# EAGLE board Mk4 Final a Panel score (EAGLE 9.0.1), part 9 of 24 (continued)
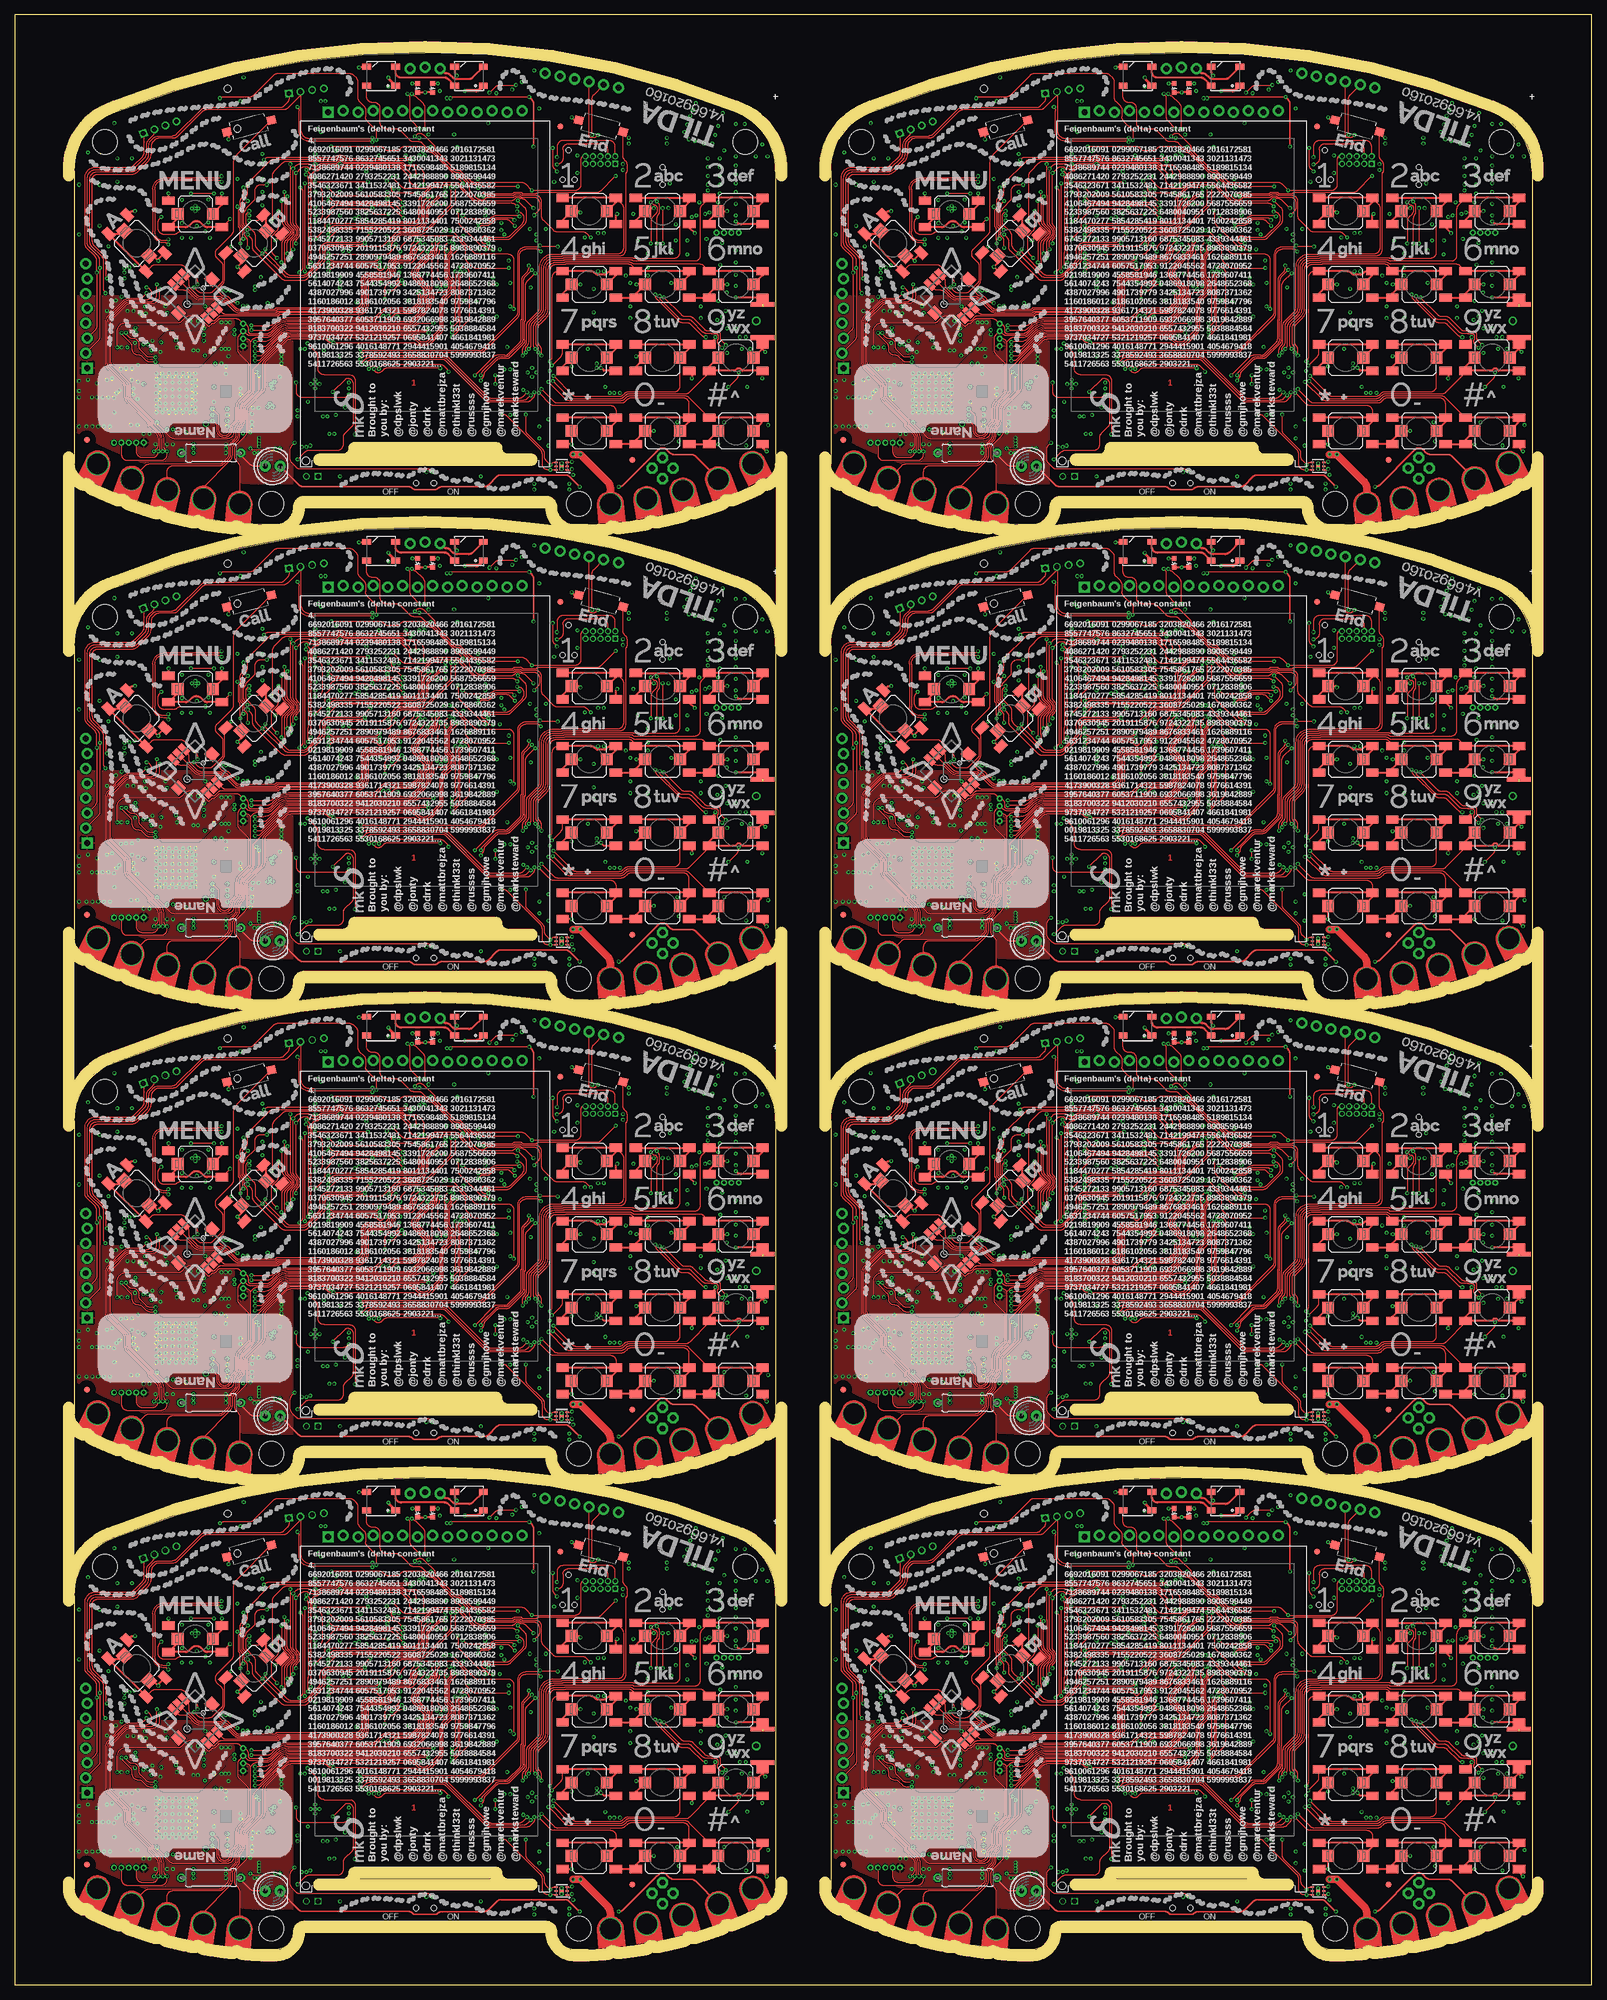
[diagram p0: board, top side]
## Tracks (layer width: path | path; a pad name or v marks a point on that pad's centre or on a via) (continued)
  Bottom 0.15: IC38.12 71.8,134.69 arc45 71.65,135.05 v71.2,135.5
  Bottom 0.2: IC47.32 22.75,113.25 22.54,113.46 arc-45 22.25,114.16 22.25,114.5 arc90 21.25,115.5 R229.1 C295.2 arc-90 17.5,116.25 v17.5,117.25
CC_!RESET3  (via drill 0.3)
  Top 0.15: v200.2,135.5 200.2,134.95 arc45 200.35,134.6 200.38,134.56 arc-45 200.53,134.21 200.53,134.09 arc-45 200.45,133.9 arc45 200.3,133.55 200.3,133.54 arc-45 200.15,133.19 197.86,130.89 arc90 197.86,129.12 199.31,127.67 arc-45 199.6,126.96 199.6,126.41 arc-45 199.45,126.05 199.25,125.85 arc45 199.1,125.49 199.1,125.22 arc-45 198.51,123.81 196.7,121.99 arc-45 195.99,121.7 175.78,121.7 arc45 173.58,120.85 172.63,119.89 arc-45 171.92,119.6 169.3,119.6 arc-90 168.8,120.1 168.8,120.51 arc90 JP34.4 167.39,121.91 arc45 166.69,122.2 164.13,122.2 arc45 163.78,122.05 163.26,121.53 arc-45 162.94,121.4 arc45 162.58,121.25 162.28,120.95 arc-90 161.93,120.95 160.56,122.31 arc45 159.86,122.6 158.81,122.6 arc45 158.11,122.31 157.49,121.69 arc-45 156.79,121.4 147.9,121.4 arc90 146.4,119.9 146.4,117.34 v146.5,117.24 v146.5,117.25
  Bottom 0.15: IC56.12 200.8,134.69 arc45 200.65,135.05 v200.2,135.5
  Bottom 0.2: IC65.32 151.75,113.25 151.54,113.46 arc-45 151.25,114.16 151.25,114.5 arc90 150.25,115.5 R307.1 C403.2 arc-90 146.5,116.25 v146.5,117.25
CC_!RESET4  (via drill 0.3)
  Top 0.15: v71.2,216.5 71.2,215.95 arc45 71.35,215.6 71.38,215.56 arc-45 71.53,215.21 71.53,215.09 arc-45 71.45,214.9 arc45 71.3,214.55 71.3,214.54 arc-45 71.15,214.19 68.86,211.89 arc90 68.86,210.12 70.31,208.67 arc-45 70.6,207.96 70.6,207.41 arc-45 70.45,207.05 70.25,206.85 arc45 70.1,206.49 70.1,206.22 arc-45 69.51,204.81 67.7,202.99 arc-45 66.99,202.7 46.78,202.7 arc45 44.58,201.85 43.63,200.89 arc-45 42.92,200.6 40.3,200.6 arc-90 39.8,201.1 39.8,201.51 arc90 JP43.4 38.39,202.91 arc45 37.69,203.2 35.13,203.2 arc45 34.78,203.05 34.26,202.53 arc-45 33.94,202.4 arc45 33.59,202.25 33.28,201.95 arc-90 32.92,201.95 31.56,203.31 arc45 30.86,203.6 29.81,203.6 arc45 29.11,203.31 28.49,202.69 arc-45 27.79,202.4 18.9,202.4 arc90 17.4,200.9 17.4,198.34 v17.5,198.24 v17.5,198.25
  Bottom 0.15: IC74.12 71.8,215.69 arc45 71.65,216.05 v71.2,216.5
  Bottom 0.2: IC83.32 22.75,194.25 22.54,194.46 arc-45 22.25,195.16 22.25,195.5 arc90 21.25,196.5 R385.1 C511.2 arc-90 17.5,197.25 v17.5,198.25
CC_!RESET5  (via drill 0.3)
  Top 0.15: v200.2,216.5 200.2,215.95 arc45 200.35,215.6 200.38,215.56 arc-45 200.53,215.21 200.53,215.09 arc-45 200.45,214.9 arc45 200.3,214.55 200.3,214.54 arc-45 200.15,214.19 197.86,211.89 arc90 197.86,210.12 199.31,208.67 arc-45 199.6,207.96 199.6,207.41 arc-45 199.45,207.05 199.25,206.85 arc45 199.1,206.49 199.1,206.22 arc-45 198.51,204.81 196.7,202.99 arc-45 195.99,202.7 175.78,202.7 arc45 173.58,201.85 172.63,200.89 arc-45 171.92,200.6 169.3,200.6 arc-90 168.8,201.1 168.8,201.51 arc90 JP52.4 167.39,202.91 arc45 166.69,203.2 164.13,203.2 arc45 163.78,203.05 163.26,202.53 arc-45 162.94,202.4 arc45 162.58,202.25 162.28,201.95 arc-90 161.93,201.95 160.56,203.31 arc45 159.86,203.6 158.81,203.6 arc45 158.11,203.31 157.49,202.69 arc-45 156.79,202.4 147.9,202.4 arc90 146.4,200.9 146.4,198.34 v146.5,198.24 v146.5,198.25
  Bottom 0.15: IC92.12 200.8,215.69 arc45 200.65,216.05 v200.2,216.5
  Bottom 0.2: IC101.32 151.75,194.25 151.54,194.46 arc-45 151.25,195.16 151.25,195.5 arc90 150.25,196.5 R463.1 C619.2 arc-90 146.5,197.25 v146.5,198.25
CC_!RESET6  (via drill 0.3)
  Top 0.15: v71.2,297.5 71.2,296.95 arc45 71.35,296.6 71.38,296.56 arc-45 71.53,296.21 71.53,296.09 arc-45 71.45,295.9 arc45 71.3,295.55 71.3,295.54 arc-45 71.15,295.19 68.86,292.89 arc90 68.86,291.12 70.31,289.67 arc-45 70.6,288.96 70.6,288.41 arc-45 70.45,288.05 70.25,287.85 arc45 70.1,287.49 70.1,287.22 arc-45 69.51,285.81 67.7,283.99 arc-45 66.99,283.7 46.78,283.7 arc45 44.58,282.85 43.63,281.89 arc-45 42.92,281.6 40.3,281.6 arc-90 39.8,282.1 39.8,282.51 arc90 JP61.4 38.39,283.91 arc45 37.69,284.2 35.13,284.2 arc45 34.78,284.05 34.26,283.53 arc-45 33.94,283.4 arc45 33.59,283.25 33.28,282.95 arc-90 32.92,282.95 31.56,284.31 arc45 30.86,284.6 29.81,284.6 arc45 29.11,284.31 28.49,283.69 arc-45 27.79,283.4 18.9,283.4 arc90 17.4,281.9 17.4,279.34 v17.5,279.24 v17.5,279.25
  Bottom 0.15: IC110.12 71.8,296.69 arc45 71.65,297.05 v71.2,297.5
  Bottom 0.2: IC119.32 22.75,275.25 22.54,275.46 arc-45 22.25,276.16 22.25,276.5 arc90 21.25,277.5 R541.1 C727.2 arc-90 17.5,278.25 v17.5,279.25
CC_!RESET7  (via drill 0.3)
  Top 0.15: v200.2,297.5 200.2,296.95 arc45 200.35,296.6 200.38,296.56 arc-45 200.53,296.21 200.53,296.09 arc-45 200.45,295.9 arc45 200.3,295.55 200.3,295.54 arc-45 200.15,295.19 197.86,292.89 arc90 197.86,291.12 199.31,289.67 arc-45 199.6,288.96 199.6,288.41 arc-45 199.45,288.05 199.25,287.85 arc45 199.1,287.49 199.1,287.22 arc-45 198.51,285.81 196.7,283.99 arc-45 195.99,283.7 175.78,283.7 arc45 173.58,282.85 172.63,281.89 arc-45 171.92,281.6 169.3,281.6 arc-90 168.8,282.1 168.8,282.51 arc90 JP70.4 167.39,283.91 arc45 166.69,284.2 164.13,284.2 arc45 163.78,284.05 163.26,283.53 arc-45 162.94,283.4 arc45 162.58,283.25 162.28,282.95 arc-90 161.93,282.95 160.56,284.31 arc45 159.86,284.6 158.81,284.6 arc45 158.11,284.31 157.49,283.69 arc-45 156.79,283.4 147.9,283.4 arc90 146.4,281.9 146.4,279.34 v146.5,279.24 v146.5,279.25
  Bottom 0.15: IC128.12 200.8,296.69 arc45 200.65,297.05 v200.2,297.5
  Bottom 0.2: IC137.32 151.75,275.25 151.54,275.46 arc-45 151.25,276.16 151.25,276.5 arc90 150.25,277.5 R619.1 C835.2 arc-90 146.5,278.25 v146.5,279.25
CC_!RTS
  Bottom 0.2: IC15.50 33.04,31.75 arc-45 33.4,31.6 33.65,31.35 arc45 34.01,31.2 36.05,31.2 arc90 36.55,31.7 36.55,31.8 R70.1
CC_!RTS1
  Bottom 0.2: IC29.50 162.04,31.75 arc-45 162.4,31.6 162.65,31.35 arc45 163.01,31.2 165.05,31.2 arc90 165.55,31.7 165.55,31.8 R148.1
CC_!RTS2
  Bottom 0.2: IC47.50 33.04,112.75 arc-45 33.4,112.6 33.65,112.35 arc45 34.01,112.2 36.05,112.2 arc90 36.55,112.7 36.55,112.8 R226.1
CC_!RTS3
  Bottom 0.2: IC65.50 162.04,112.75 arc-45 162.4,112.6 162.65,112.35 arc45 163.01,112.2 165.05,112.2 arc90 165.55,112.7 165.55,112.8 R304.1
CC_!RTS4
  Bottom 0.2: IC83.50 33.04,193.75 arc-45 33.4,193.6 33.65,193.35 arc45 34.01,193.2 36.05,193.2 arc90 36.55,193.7 36.55,193.8 R382.1
CC_!RTS5
  Bottom 0.2: IC101.50 162.04,193.75 arc-45 162.4,193.6 162.65,193.35 arc45 163.01,193.2 165.05,193.2 arc90 165.55,193.7 165.55,193.8 R460.1
CC_!RTS6
  Bottom 0.2: IC119.50 33.04,274.75 arc-45 33.4,274.6 33.65,274.35 arc45 34.01,274.2 36.05,274.2 arc90 36.55,274.7 36.55,274.8 R538.1
CC_!RTS7
  Bottom 0.2: IC137.50 162.04,274.75 arc-45 162.4,274.6 162.65,274.35 arc45 163.01,274.2 165.05,274.2 arc90 165.55,274.7 165.55,274.8 R616.1
CC_IRQ  (via drill 0.3)
  Top 0.15: v24.25,23.44 24.27,23.41 24.27,23.23 26.56,20.94 arc45 27.26,20.65 36.15,20.65 arc90 37.4,21.9 arc-45 37.91,23.14 37.96,23.18 arc45 38.4,24.25 38.4,25.6 arc-45 38.99,27.01 40.12,28.15 arc45 40.56,29.21 40.56,32.02 arc-45 40.86,32.73 45.99,37.86 arc-45 47.05,38.3 67.69,38.3 arc-45 68.39,38.01 68.91,37.49 arc45 69.61,37.2 69.89,37.2 arc45 70.59,37.49 72.21,39.11 arc45 72.5,39.81 72.5,43.68 arc-45 72.94,44.74 73.96,45.76 arc45 74.33,46.64 74.33,47.09 74.3,47.12 arc45 74.12,47.56 73.89,47.78 arc-45 73.6,48.49 73.6,51.44 arc-45 73.89,52.15 74.13,52.39 arc45 74.28,52.74 74.28,53.27 arc-45 74.42,53.62 v74.8,54
  Bottom 0.15: R72.1 24.25,21.75 v24.25,23.44 IC15.15 | IC1.123 76.82,54.8 arc45 76.78,54.78 arc-45 76.64,54.73 76.36,54.73 arc-45 76.22,54.78 76.17,54.84 arc45 76.03,54.9 74.08,54.9 arc90 73.58,54.4 73.58,54.2 arc90 74.08,53.7 74.5,53.7 v74.8,54
CC_IRQ1  (via drill 0.3)
  Top 0.15: v153.25,23.44 153.28,23.41 153.28,23.23 155.56,20.94 arc45 156.26,20.65 165.15,20.65 arc90 166.4,21.9 arc-45 166.91,23.14 166.96,23.18 arc45 167.4,24.25 167.4,25.6 arc-45 167.99,27.01 169.12,28.15 arc45 169.56,29.21 169.56,32.02 arc-45 169.86,32.73 174.99,37.86 arc-45 176.05,38.3 196.69,38.3 arc-45 197.39,38.01 197.91,37.49 arc45 198.61,37.2 198.89,37.2 arc45 199.59,37.49 201.21,39.11 arc45 201.5,39.81 201.5,43.68 arc-45 201.94,44.74 202.96,45.76 arc45 203.32,46.64 203.32,47.09 203.3,47.12 arc45 203.12,47.56 202.89,47.78 arc-45 202.6,48.49 202.6,51.44 arc-45 202.89,52.15 203.13,52.39 arc45 203.28,52.74 203.28,53.27 arc-45 203.42,53.62 v203.8,54
  Bottom 0.15: R150.1 153.25,21.75 v153.25,23.44 IC29.15 | IC20.123 205.82,54.8 arc45 205.78,54.78 arc-45 205.63,54.73 205.37,54.73 arc-45 205.22,54.78 205.17,54.84 arc45 205.03,54.9 203.07,54.9 arc90 202.57,54.4 202.57,54.2 arc90 203.07,53.7 203.5,53.7 v203.8,54
CC_IRQ2  (via drill 0.3)
  Top 0.15: v24.25,104.44 24.27,104.41 24.27,104.22 26.56,101.94 arc45 27.26,101.65 36.15,101.65 arc90 37.4,102.9 arc-45 37.91,104.14 37.96,104.19 arc45 38.4,105.25 38.4,106.6 arc-45 38.99,108.01 40.12,109.15 arc45 40.56,110.21 40.56,113.02 arc-45 40.86,113.73 45.99,118.86 arc-45 47.05,119.3 67.69,119.3 arc-45 68.39,119.01 68.91,118.49 arc45 69.61,118.2 69.89,118.2 arc45 70.59,118.49 72.21,120.11 arc45 72.5,120.81 72.5,124.68 arc-45 72.94,125.74 73.96,126.76 arc45 74.33,127.64 74.33,128.09 74.3,128.12 arc45 74.12,128.56 73.89,128.78 arc-45 73.6,129.49 73.6,132.44 arc-45 73.89,133.15 74.13,133.39 arc45 74.28,133.74 74.28,134.27 arc-45 74.42,134.62 v74.8,135
  Bottom 0.15: R228.1 24.25,102.75 v24.25,104.44 IC47.15 | IC38.123 76.82,135.8 arc45 76.78,135.78 arc-45 76.64,135.72 76.36,135.72 arc-45 76.22,135.78 76.17,135.84 arc45 76.03,135.9 74.08,135.9 arc90 73.58,135.4 73.58,135.2 arc90 74.08,134.7 74.5,134.7 v74.8,135
CC_IRQ3  (via drill 0.3)
  Top 0.15: v153.25,104.44 153.28,104.41 153.28,104.22 155.56,101.94 arc45 156.26,101.65 165.15,101.65 arc90 166.4,102.9 arc-45 166.91,104.14 166.96,104.19 arc45 167.4,105.25 167.4,106.6 arc-45 167.99,108.01 169.12,109.15 arc45 169.56,110.21 169.56,113.02 arc-45 169.86,113.73 174.99,118.86 arc-45 176.05,119.3 196.69,119.3 arc-45 197.39,119.01 197.91,118.49 arc45 198.61,118.2 198.89,118.2 arc45 199.59,118.49 201.21,120.11 arc45 201.5,120.81 201.5,124.68 arc-45 201.94,125.74 202.96,126.76 arc45 203.32,127.64 203.32,128.09 203.3,128.12 arc45 203.12,128.56 202.89,128.78 arc-45 202.6,129.49 202.6,132.44 arc-45 202.89,133.15 203.13,133.39 arc45 203.28,133.74 203.28,134.27 arc-45 203.42,134.62 v203.8,135
  Bottom 0.15: R306.1 153.25,102.75 v153.25,104.44 IC65.15 | IC56.123 205.82,135.8 arc45 205.78,135.78 arc-45 205.63,135.72 205.37,135.72 arc-45 205.22,135.78 205.17,135.84 arc45 205.03,135.9 203.07,135.9 arc90 202.57,135.4 202.57,135.2 arc90 203.07,134.7 203.5,134.7 v203.8,135
CC_IRQ4  (via drill 0.3)
  Top 0.15: v24.25,185.44 24.27,185.41 24.27,185.22 26.56,182.94 arc45 27.26,182.65 36.15,182.65 arc90 37.4,183.9 arc-45 37.91,185.14 37.96,185.19 arc45 38.4,186.25 38.4,187.6 arc-45 38.99,189.01 40.12,190.15 arc45 40.56,191.21 40.56,194.02 arc-45 40.86,194.73 45.99,199.86 arc-45 47.05,200.3 67.69,200.3 arc-45 68.39,200.01 68.91,199.49 arc45 69.61,199.2 69.89,199.2 arc45 70.59,199.49 72.21,201.11 arc45 72.5,201.81 72.5,205.68 arc-45 72.94,206.74 73.96,207.76 arc45 74.33,208.64 74.33,209.09 74.3,209.12 arc45 74.12,209.56 73.89,209.78 arc-45 73.6,210.49 73.6,213.44 arc-45 73.89,214.15 74.13,214.39 arc45 74.28,214.74 74.28,215.27 arc-45 74.42,215.62 v74.8,216
  Bottom 0.15: R384.1 24.25,183.75 v24.25,185.44 IC83.15 | IC74.123 76.82,216.8 arc45 76.78,216.78 arc-45 76.64,216.72 76.36,216.72 arc-45 76.22,216.78 76.17,216.84 arc45 76.03,216.9 74.08,216.9 arc90 73.58,216.4 73.58,216.2 arc90 74.08,215.7 74.5,215.7 v74.8,216
CC_IRQ5  (via drill 0.3)
  Top 0.15: v153.25,185.44 153.28,185.41 153.28,185.22 155.56,182.94 arc45 156.26,182.65 165.15,182.65 arc90 166.4,183.9 arc-45 166.91,185.14 166.96,185.19 arc45 167.4,186.25 167.4,187.6 arc-45 167.99,189.01 169.12,190.15 arc45 169.56,191.21 169.56,194.02 arc-45 169.86,194.73 174.99,199.86 arc-45 176.05,200.3 196.69,200.3 arc-45 197.39,200.01 197.91,199.49 arc45 198.61,199.2 198.89,199.2 arc45 199.59,199.49 201.21,201.11 arc45 201.5,201.81 201.5,205.68 arc-45 201.94,206.74 202.96,207.76 arc45 203.32,208.64 203.32,209.09 203.3,209.12 arc45 203.12,209.56 202.89,209.78 arc-45 202.6,210.49 202.6,213.44 arc-45 202.89,214.15 203.13,214.39 arc45 203.28,214.74 203.28,215.27 arc-45 203.42,215.62 v203.8,216
  Bottom 0.15: R462.1 153.25,183.75 v153.25,185.44 IC101.15 | IC92.123 205.82,216.8 arc45 205.78,216.78 arc-45 205.63,216.72 205.37,216.72 arc-45 205.22,216.78 205.17,216.84 arc45 205.03,216.9 203.07,216.9 arc90 202.57,216.4 202.57,216.2 arc90 203.07,215.7 203.5,215.7 v203.8,216
CC_IRQ6  (via drill 0.3)
  Top 0.15: v24.25,266.44 24.27,266.41 24.27,266.23 26.56,263.94 arc45 27.26,263.65 36.15,263.65 arc90 37.4,264.9 arc-45 37.91,266.14 37.96,266.19 arc45 38.4,267.25 38.4,268.6 arc-45 38.99,270.01 40.12,271.15 arc45 40.56,272.21 40.56,275.02 arc-45 40.86,275.73 45.99,280.86 arc-45 47.05,281.3 67.69,281.3 arc-45 68.39,281.01 68.91,280.49 arc45 69.61,280.2 69.89,280.2 arc45 70.59,280.49 72.21,282.11 arc45 72.5,282.81 72.5,286.68 arc-45 72.94,287.74 73.96,288.76 arc45 74.33,289.64 74.33,290.09 74.3,290.12 arc45 74.12,290.56 73.89,290.78 arc-45 73.6,291.49 73.6,294.44 arc-45 73.89,295.15 74.13,295.39 arc45 74.28,295.74 74.28,296.27 arc-45 74.42,296.62 v74.8,297
  Bottom 0.15: R540.1 24.25,264.75 v24.25,266.44 IC119.15 | IC110.123 76.82,297.8 arc45 76.78,297.78 arc-45 76.64,297.73 76.36,297.73 arc-45 76.22,297.78 76.17,297.84 arc45 76.03,297.9 74.08,297.9 arc90 73.58,297.4 73.58,297.2 arc90 74.08,296.7 74.5,296.7 v74.8,297
CC_IRQ7  (via drill 0.3)
  Top 0.15: v153.25,266.44 153.28,266.41 153.28,266.23 155.56,263.94 arc45 156.26,263.65 165.15,263.65 arc90 166.4,264.9 arc-45 166.91,266.14 166.96,266.19 arc45 167.4,267.25 167.4,268.6 arc-45 167.99,270.01 169.12,271.15 arc45 169.56,272.21 169.56,275.02 arc-45 169.86,275.73 174.99,280.86 arc-45 176.05,281.3 196.69,281.3 arc-45 197.39,281.01 197.91,280.49 arc45 198.61,280.2 198.89,280.2 arc45 199.59,280.49 201.21,282.11 arc45 201.5,282.81 201.5,286.68 arc-45 201.94,287.74 202.96,288.76 arc45 203.32,289.64 203.32,290.09 203.3,290.12 arc45 203.12,290.56 202.89,290.78 arc-45 202.6,291.49 202.6,294.44 arc-45 202.89,295.15 203.13,295.39 arc45 203.28,295.74 203.28,296.27 arc-45 203.42,296.62 v203.8,297
  Bottom 0.15: R618.1 153.25,264.75 v153.25,266.44 IC137.15 | IC128.123 205.82,297.8 arc45 205.78,297.78 arc-45 205.63,297.73 205.37,297.73 arc-45 205.22,297.78 205.17,297.84 arc45 205.03,297.9 203.07,297.9 arc90 202.57,297.4 202.57,297.2 arc90 203.07,296.7 203.5,296.7 v203.8,297
CC_RCT_XTAL_N
  Bottom 0.25: C100.2 36.05,27.25 X3.P$1 35.25,27.2 arc-90 34.75,27.7 34.75,29.44 arc45 34.6,29.8 34.15,30.25 arc45 33.79,30.4 33.56,30.4 arc-45 33.2,30.55 33.15,30.6 arc45 32.79,30.75 IC15.52
CC_RCT_XTAL_N1
  Bottom 0.25: C208.2 165.05,27.25 X7.P$1 164.25,27.2 arc-90 163.75,27.7 163.75,29.44 arc45 163.6,29.8 163.15,30.25 arc45 162.79,30.4 162.56,30.4 arc-45 162.2,30.55 162.15,30.6 arc45 161.79,30.75 IC29.52
CC_RCT_XTAL_N2
  Bottom 0.25: C316.2 36.05,108.25 X11.P$1 35.25,108.2 arc-90 34.75,108.7 34.75,110.44 arc45 34.6,110.8 34.15,111.25 arc45 33.79,111.4 33.56,111.4 arc-45 33.2,111.55 33.15,111.6 arc45 32.79,111.75 IC47.52
CC_RCT_XTAL_N3
  Bottom 0.25: C424.2 165.05,108.25 X15.P$1 164.25,108.2 arc-90 163.75,108.7 163.75,110.44 arc45 163.6,110.8 163.15,111.25 arc45 162.79,111.4 162.56,111.4 arc-45 162.2,111.55 162.15,111.6 arc45 161.79,111.75 IC65.52
CC_RCT_XTAL_N4
  Bottom 0.25: C532.2 36.05,189.25 X19.P$1 35.25,189.2 arc-90 34.75,189.7 34.75,191.44 arc45 34.6,191.8 34.15,192.25 arc45 33.79,192.4 33.56,192.4 arc-45 33.2,192.55 33.15,192.6 arc45 32.79,192.75 IC83.52
CC_RCT_XTAL_N5
  Bottom 0.25: C640.2 165.05,189.25 X23.P$1 164.25,189.2 arc-90 163.75,189.7 163.75,191.44 arc45 163.6,191.8 163.15,192.25 arc45 162.79,192.4 162.56,192.4 arc-45 162.2,192.55 162.15,192.6 arc45 161.79,192.75 IC101.52
CC_RCT_XTAL_N6
  Bottom 0.25: C748.2 36.05,270.25 X27.P$1 35.25,270.2 arc-90 34.75,270.7 34.75,272.44 arc45 34.6,272.8 34.15,273.25 arc45 33.79,273.4 33.56,273.4 arc-45 33.2,273.55 33.15,273.6 arc45 32.79,273.75 IC119.52
CC_RCT_XTAL_N7
  Bottom 0.25: C856.2 165.05,270.25 X31.P$1 164.25,270.2 arc-90 163.75,270.7 163.75,272.44 arc45 163.6,272.8 163.15,273.25 arc45 162.79,273.4 162.56,273.4 arc-45 162.2,273.55 162.15,273.6 arc45 161.79,273.75 IC137.52
CC_RESERVED@1
  Bottom 0.15: IC29.19 151.72,25.75 arc90 151.47,25.5 151.47,24.53 152,24.01 R143.1
CC_RESERVED@2
  Bottom 0.15: IC47.19 22.73,106.75 arc90 22.48,106.5 22.48,105.53 23,105.01 R221.1
CC_RESERVED@3
  Bottom 0.15: IC65.19 151.72,106.75 arc90 151.47,106.5 151.47,105.53 152,105.01 R299.1
CC_RESERVED@4
  Bottom 0.15: IC83.19 22.73,187.75 arc90 22.48,187.5 22.48,186.53 23,186.01 R377.1
CC_RESERVED@5
  Bottom 0.15: IC101.19 151.72,187.75 arc90 151.47,187.5 151.47,186.53 152,186.01 R455.1
CC_RESERVED@6
  Bottom 0.15: IC119.19 22.73,268.75 arc90 22.48,268.5 22.48,267.53 23,267.01 R533.1
CC_RESERVED@7
  Bottom 0.15: IC137.19 151.72,268.75 arc90 151.47,268.5 151.47,267.53 152,267.01 R611.1
CC_RESERVED@19
  Bottom 0.15: IC15.19 22.73,25.75 arc90 22.48,25.5 22.48,24.53 23,24.01 R65.1
CC_RTC_XTAL_P
  Bottom 0.25: C101.2 36.05,30.25 X3.P$2 34.91,30.3 arc-45 34.55,30.45 34.32,30.68 arc45 33.97,30.82 33.85,30.82 arc-45 33.5,30.97 33.37,31.1 arc45 33.01,31.25 IC15.51
CC_RTC_XTAL_P1
  Bottom 0.25: C209.2 165.05,30.25 X7.P$2 163.91,30.3 arc-45 163.55,30.45 163.32,30.68 arc45 162.97,30.82 162.85,30.82 arc-45 162.5,30.97 162.37,31.1 arc45 162.01,31.25 IC29.51
CC_RTC_XTAL_P2
  Bottom 0.25: C317.2 36.05,111.25 X11.P$2 34.91,111.3 arc-45 34.55,111.45 34.32,111.68 arc45 33.97,111.83 33.85,111.83 arc-45 33.5,111.97 33.37,112.1 arc45 33.01,112.25 IC47.51
CC_RTC_XTAL_P3
  Bottom 0.25: C425.2 165.05,111.25 X15.P$2 163.91,111.3 arc-45 163.55,111.45 163.32,111.68 arc45 162.97,111.83 162.85,111.83 arc-45 162.5,111.97 162.37,112.1 arc45 162.01,112.25 IC65.51
CC_RTC_XTAL_P4
  Bottom 0.25: C533.2 36.05,192.25 X19.P$2 34.91,192.3 arc-45 34.55,192.45 34.32,192.68 arc45 33.97,192.82 33.85,192.82 arc-45 33.5,192.97 33.37,193.1 arc45 33.01,193.25 IC83.51
CC_RTC_XTAL_P5
  Bottom 0.25: C641.2 165.05,192.25 X23.P$2 163.91,192.3 arc-45 163.55,192.45 163.32,192.68 arc45 162.97,192.82 162.85,192.82 arc-45 162.5,192.97 162.37,193.1 arc45 162.01,193.25 IC101.51
CC_RTC_XTAL_P6
  Bottom 0.25: C749.2 36.05,273.25 X27.P$2 34.91,273.3 arc-45 34.55,273.45 34.32,273.68 arc45 33.97,273.82 33.85,273.82 arc-45 33.5,273.97 33.37,274.1 arc45 33.01,274.25 IC119.51
CC_RTC_XTAL_P7
  Bottom 0.25: C857.2 165.05,273.25 X31.P$2 163.91,273.3 arc-45 163.55,273.45 163.32,273.68 arc45 162.97,273.82 162.85,273.82 arc-45 162.5,273.97 162.37,274.1 arc45 162.01,274.25 IC137.51
CC_TEST1
  Bottom 0.15: IC29.62 161.32,25.75 arc-90 161.53,25.55 161.53,23.27 TP38.TP
CC_TEST2
  Bottom 0.15: IC47.62 32.33,106.75 arc-90 32.52,106.55 32.52,104.28 TP57.TP
CC_TEST3
  Bottom 0.15: IC65.62 161.32,106.75 arc-90 161.53,106.55 161.53,104.28 TP76.TP
CC_TEST4
  Bottom 0.15: IC83.62 32.33,187.75 arc-90 32.52,187.55 32.52,185.28 TP95.TP
CC_TEST5
  Bottom 0.15: IC101.62 161.32,187.75 arc-90 161.53,187.55 161.53,185.28 TP114.TP
CC_TEST6
  Bottom 0.15: IC119.62 32.33,268.75 arc-90 32.52,268.55 32.52,266.27 TP133.TP
CC_TEST7
  Bottom 0.15: IC137.62 161.32,268.75 arc-90 161.53,268.55 161.53,266.27 TP152.TP
CC_TEST62
  Bottom 0.15: IC15.62 32.33,25.75 arc-90 32.52,25.55 32.52,23.27 TP19.TP
CC_WLAN_XTAL_
  Bottom 0.15: X4.3 17.88,24.32 18.51,24.96 arc-45 19.21,25.25 20.04,25.25 arc-45 20.74,24.96 C99.2 arc90 21.88,25.68 21.88,26.5 arc-90 22.62,27.25 IC15.22
CC_WLAN_XTAL_1
  Bottom 0.15: X8.3 146.88,24.32 147.51,24.96 arc-45 148.21,25.25 149.04,25.25 arc-45 149.74,24.96 C207.2 arc90 150.88,25.68 150.88,26.5 arc-90 151.62,27.25 IC29.22
CC_WLAN_XTAL_2
  Bottom 0.15: X12.3 17.88,105.33 18.51,105.96 arc-45 19.21,106.25 20.04,106.25 arc-45 20.74,105.96 C315.2 arc90 21.88,106.67 21.88,107.5 arc-90 22.62,108.25 IC47.22
CC_WLAN_XTAL_3
  Bottom 0.15: X16.3 146.88,105.33 147.51,105.96 arc-45 148.21,106.25 149.04,106.25 arc-45 149.74,105.96 C423.2 arc90 150.88,106.67 150.88,107.5 arc-90 151.62,108.25 IC65.22
CC_WLAN_XTAL_4
  Bottom 0.15: X20.3 17.88,186.32 18.51,186.96 arc-45 19.21,187.25 20.04,187.25 arc-45 20.74,186.96 C531.2 arc90 21.88,187.68 21.88,188.5 arc-90 22.62,189.25 IC83.22
CC_WLAN_XTAL_5
  Bottom 0.15: X24.3 146.88,186.32 147.51,186.96 arc-45 148.21,187.25 149.04,187.25 arc-45 149.74,186.96 C639.2 arc90 150.88,187.68 150.88,188.5 arc-90 151.62,189.25 IC101.22
CC_WLAN_XTAL_6
  Bottom 0.15: X28.3 17.88,267.32 18.51,267.96 arc-45 19.21,268.25 20.04,268.25 arc-45 20.74,267.96 C747.2 arc90 21.88,268.68 21.88,269.5 arc-90 22.62,270.25 IC119.22
CC_WLAN_XTAL_7
  Bottom 0.15: X32.3 146.88,267.32 147.51,267.96 arc-45 148.21,268.25 149.04,268.25 arc-45 149.74,267.96 C855.2 arc90 150.88,268.68 150.88,269.5 arc-90 151.62,270.25 IC137.22
CC_WLAN_XTAL_P
  Bottom 0.15: X4.1 20.38,25.75 C98.2 arc90 21.58,26.38 21.58,26.75 arc-90 22.58,27.75 IC15.23
CC_WLAN_XTAL_P1
  Bottom 0.15: X8.1 149.38,25.75 C206.2 arc90 150.57,26.38 150.57,26.75 arc-90 151.57,27.75 IC29.23
CC_WLAN_XTAL_P2
  Bottom 0.15: X12.1 20.38,106.75 C314.2 arc90 21.58,107.38 21.58,107.75 arc-90 22.58,108.75 IC47.23
CC_WLAN_XTAL_P3
  Bottom 0.15: X16.1 149.38,106.75 C422.2 arc90 150.57,107.38 150.57,107.75 arc-90 151.57,108.75 IC65.23
CC_WLAN_XTAL_P4
  Bottom 0.15: X20.1 20.38,187.75 C530.2 arc90 21.58,188.38 21.58,188.75 arc-90 22.58,189.75 IC83.23
CC_WLAN_XTAL_P5
  Bottom 0.15: X24.1 149.38,187.75 C638.2 arc90 150.57,188.38 150.57,188.75 arc-90 151.57,189.75 IC101.23
CC_WLAN_XTAL_P6
  Bottom 0.15: X28.1 20.38,268.75 C746.2 arc90 21.58,269.38 21.58,269.75 arc-90 22.58,270.75 IC119.23
CC_WLAN_XTAL_P7
  Bottom 0.15: X32.1 149.38,268.75 C854.2 arc90 150.57,269.38 150.57,269.75 arc-90 151.57,270.75 IC137.23
DCDC_ANA_SW
  Bottom 0.25: 26.25,36.7 IC15.38
  Bottom 0.4: L7.2 25.6,38.21 arc45 25.89,37.51 25.96,37.44 arc-45 26.25,36.74 26.25,36.7
DCDC_ANA_SW1
  Bottom 0.25: 155.25,36.7 IC29.38
  Bottom 0.4: L16.2 154.6,38.21 arc45 154.89,37.51 154.96,37.44 arc-45 155.25,36.74 155.25,36.7
DCDC_ANA_SW2
  Bottom 0.25: 26.25,117.7 IC47.38
  Bottom 0.4: L25.2 25.6,119.21 arc45 25.89,118.51 25.96,118.44 arc-45 26.25,117.74 26.25,117.7
DCDC_ANA_SW3
  Bottom 0.25: 155.25,117.7 IC65.38
  Bottom 0.4: L34.2 154.6,119.21 arc45 154.89,118.51 154.96,118.44 arc-45 155.25,117.74 155.25,117.7
DCDC_ANA_SW4
  Bottom 0.25: 26.25,198.7 IC83.38
  Bottom 0.4: L43.2 25.6,200.21 arc45 25.89,199.51 25.96,199.44 arc-45 26.25,198.74 26.25,198.7
DCDC_ANA_SW5
  Bottom 0.25: 155.25,198.7 IC101.38
  Bottom 0.4: L52.2 154.6,200.21 arc45 154.89,199.51 154.96,199.44 arc-45 155.25,198.74 155.25,198.7
DCDC_ANA_SW6
  Bottom 0.25: 26.25,279.7 IC119.38
  Bottom 0.4: L61.2 25.6,281.21 arc45 25.89,280.51 25.96,280.44 arc-45 26.25,279.74 26.25,279.7
DCDC_ANA_SW7
  Bottom 0.25: 155.25,279.7 IC137.38
  Bottom 0.4: L70.2 154.6,281.21 arc45 154.89,280.51 154.96,280.44 arc-45 155.25,279.74 155.25,279.7
DCDC_DIG_SW
  Bottom 0.25: IC15.43 28.75,33.79 arc-45 29.04,34.49 29.56,35.01 arc45 29.85,35.71 arc-45 30.12,36.37 30.21,36.46 arc-45 30.91,36.75 33.85,36.75 L9.2
DCDC_DIG_SW1
  Bottom 0.25: IC29.43 157.75,33.79 arc-45 158.04,34.49 158.56,35.01 arc45 158.85,35.71 arc-45 159.12,36.37 159.21,36.46 arc-45 159.91,36.75 162.85,36.75 L18.2
DCDC_DIG_SW2
  Bottom 0.25: IC47.43 28.75,114.79 arc-45 29.04,115.49 29.56,116.01 arc45 29.85,116.71 arc-45 30.12,117.37 30.21,117.46 arc-45 30.91,117.75 33.85,117.75 L27.2
DCDC_DIG_SW3
  Bottom 0.25: IC65.43 157.75,114.79 arc-45 158.04,115.49 158.56,116.01 arc45 158.85,116.71 arc-45 159.12,117.37 159.21,117.46 arc-45 159.91,117.75 162.85,117.75 L36.2
DCDC_DIG_SW4
  Bottom 0.25: IC83.43 28.75,195.79 arc-45 29.04,196.49 29.56,197.01 arc45 29.85,197.71 arc-45 30.12,198.37 30.21,198.46 arc-45 30.91,198.75 33.85,198.75 L45.2
DCDC_DIG_SW5
  Bottom 0.25: IC101.43 157.75,195.79 arc-45 158.04,196.49 158.56,197.01 arc45 158.85,197.71 arc-45 159.12,198.37 159.21,198.46 arc-45 159.91,198.75 162.85,198.75 L54.2
DCDC_DIG_SW6
  Bottom 0.25: IC119.43 28.75,276.79 arc-45 29.04,277.49 29.56,278.01 arc45 29.85,278.71 arc-45 30.12,279.37 30.21,279.46 arc-45 30.91,279.75 33.85,279.75 L63.2
DCDC_DIG_SW7
  Bottom 0.25: IC137.43 157.75,276.79 arc-45 158.04,277.49 158.56,278.01 arc45 158.85,278.71 arc-45 159.12,279.37 159.21,279.46 arc-45 159.91,279.75 162.85,279.75 L72.2
DCDC_PA_SW_N
  Bottom 0.25: IC15.41 27.75,34.29 arc-45 28.04,34.99 28.75,35.7
  Bottom 0.3: 28.75,35.7 28.75,35.76 29,36.01 29,38 29.1,38.1
  Bottom 0.5: 29.1,38.1 29.1,39.59 arc45 28.95,39.95 28.3,40.6 L8.1
DCDC_PA_SW_N1
  Bottom 0.25: IC29.41 156.75,34.29 arc-45 157.04,34.99 157.75,35.7
  Bottom 0.3: 157.75,35.7 157.75,35.76 158,36.01 158,38 158.1,38.1
  Bottom 0.5: 158.1,38.1 158.1,39.59 arc45 157.95,39.95 157.3,40.6 L17.1
DCDC_PA_SW_N2
  Bottom 0.25: IC47.41 27.75,115.29 arc-45 28.04,115.99 28.75,116.7
  Bottom 0.3: 28.75,116.7 28.75,116.76 29,117.01 29,119 29.1,119.1
  Bottom 0.5: 29.1,119.1 29.1,120.59 arc45 28.95,120.95 28.3,121.6 L26.1
DCDC_PA_SW_N3